# KiCad board gmsl-serializer.kicad_pcb (continued)
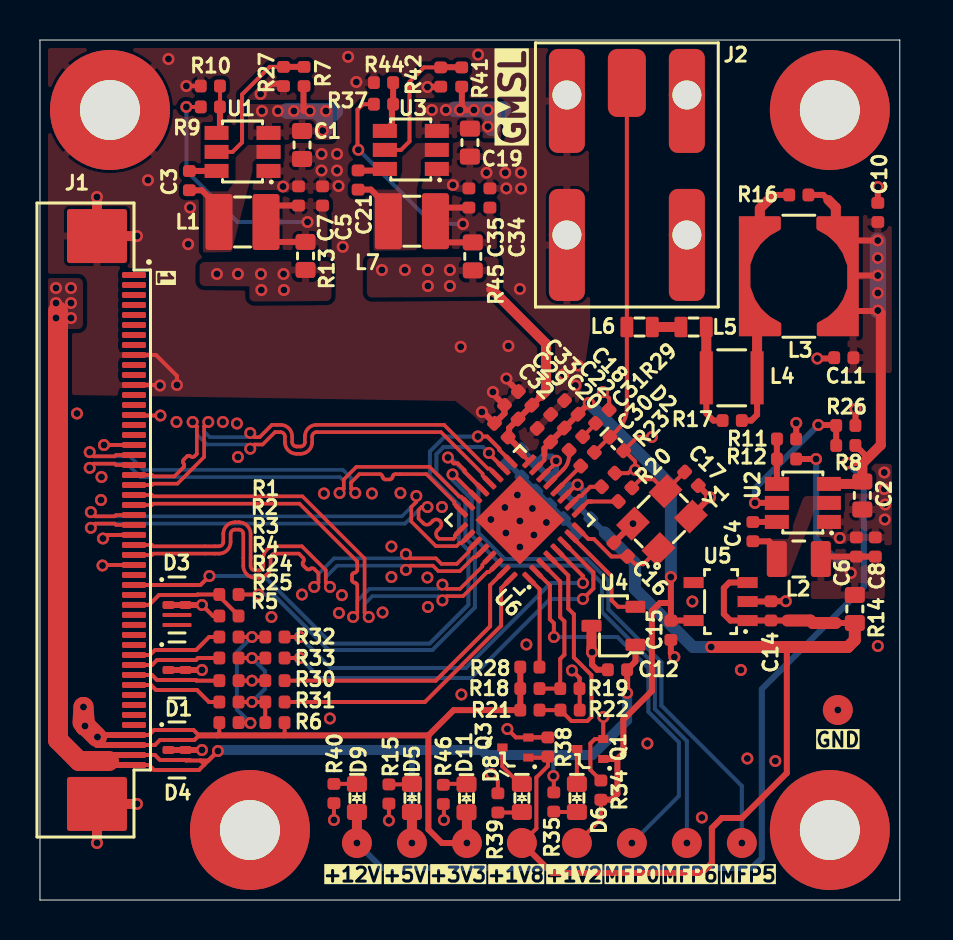
[diagram p0: board, top side]
## Routing (per net, layer and track width the routed paths; a pad name or vN(x,y) marks a point on that pad's centre or on a via; arc(x,y) is an arc through that point) (continued)
/Supply/OUT_3V3: length 15
  Top w0.2: R37.2 16.15,39.79 15.88,39.52 15.88,37.69
  Top w0.3: C35.2 19.78,34.62 L7.2 19.78,32.88 R45.1
  Bottom w0.2: 15.88,37.69 15.88,37.57 19.65,33.8 v1(21.15,33.8)
  vias: v1(15.92,37.51)
/Supply/OUT_5V: length 16.4
  Top w0.2: 8.03,39.65 v1(7.32,39.65)
  Top w0.3: C7.2 11.3,34.72 L1.2 11.3,33.05 11.45,32.9 R13.1
  Bottom w0.2: v1(7.32,39.65) 7.32,36.46 9.88,33.9 v1(13.38,33.9)
/Supply/SW_1V8: length 1.4
  Top w0.3: 35.65,17.93 36.47,17.93 36.85,17.55
/Supply/SW_3V3: length 2.6
  Top w0.3: L7.1 17.42,34.64 16.55,35.52 C21.2
/Supply/SW_5V: length 1.8
  Top w0.3: 7.47,35.48 8.09,35.48 8.95,34.63
Net-(C31-Pad2): length 1
  Top w0.2: 27.14,23.17 27.86,23.88
Net-(D5-C): length 1.2
  Top w0.2: R15.2 18.58,5.78 D5.1
Net-(D6-A): length 1.2
  Top w0.2: R35.1 25.72,4.4 D6.2
Net-(D6-C): length 1.8
  Top w0.2: Q1.3 26.85,7.53 D6.1
Net-(D8-A): length 1.2
  Top w0.2: D8.2 24.07,4.38 R39.1
Net-(D8-C): length 2.3
  Top w0.2: D8.1 24,5.8 23.12,6.68 23.12,7.62
Net-(D9-C): length 1.2
  Top w0.2: R40.2 15.84,5.8 D9.1
Net-(D11-C): length 1.2
  Top w0.2: 21.35,5.8 21.34,5.8 20.2,5.8
Net-(L3-Pad2): length 13.5
  Top w0.3: R16.2 36.67,35.25 36.41,34.99 ; R17.1 35.57,23.97 35.86,24.26 L4.1
  Top w0.5: 36.41,34.99 36,34.58 36,33.62 35.24,32.86 L3.2 35.24,28.98 35.86,28.36 L4.1
Net-(L4-Pad2): length 5.3
  Top w0.3: L4.2 33.32,24.33 33.68,23.97 R17.2
  Top w0.5: L4.2 L5.1
Net-(L5-Pad2): length 1.4
  Top w0.5: L5.2 L6.1
Net-(U1-BST): length 1.4
  Top w0.3: U1.6 7.47,36.45
Net-(U2-BST): length 1.2
  Top w0.3: 35.65,18.9 U2.6
Net-(U3-BST): length 1.4
  Top w0.3: 17.23,36.47 15.87,36.47
Net-(U6-CAP_VDD): length 5.3
  Top w0.2: U6.14 25.81,21.87 v1(25.81,21.96) 25.81,21.84
  Bottom w0.3: C24.2 C23.2 25.81,21.46 v1(25.81,21.96) 25.59,22.17 25.13,22.17 C24.2 ; C24.2 C26.2
Net-(U6-MFP0): length 19.4
  Top w0.2: v1(25.7,13.15) 25.7,13.84 25.5,14.04 25.5,15.73 U6.2
  Bottom w0.2: v1(25.7,13.15) 28.88,13.15 30.42,11.6 30.42,9.42 31.95,7.89 31.95,5.2 v1(29.6,2.85)
Net-(U6-MFP5): length 30.3
  Top w0.2: v1(20.4,22.12) 20.69,21.83 20.88,21.83 21.23,21.48 21.23,21.41 U6.21
  Bottom w0.2: v1(35.1,2.85) 35.1,5.7 31.07,9.72 31.07,11.88 28.42,14.53 28.42,15.97 27.35,17.05 23.23,17.05 21.92,18.36 21.92,20.72 20.52,22.12 v1(20.4,22.12)
Net-(U6-MFP6): length 27.3
  Top w0.2: v1(20.63,21.28) 20.66,21.28 U6.22
  Bottom w0.2: v1(32.35,2.85) 32.35,7.95 30.75,9.55 30.75,11.75 28.1,14.4 28.1,15.84 27.22,16.72 23.1,16.72 21.6,18.22 21.6,20.02 20.63,21 v1(20.63,21.28)
Net-(U6-MFP7): length 14.4
  Top w0.2: 12.23,10.97 19.79,10.97 22.51,13.68 22.51,15.74 U6.31
Net-(U6-MFP8): length 15
  Top w0.2: U6.32 23.06,15.59 23.06,13.71 19.25,9.9 12.23,9.9
Net-(U6-MFP9): length 19.5
  Top w0.2: U6.5 27.15,16.2 v1(27.15,15.85) ; 12.23,13.15 v1(13,13.15)
  Bottom w0.2: v1(13,13.15) 14.55,11.6 21.3,11.6 25.55,15.85 v1(27.15,15.85)
Net-(U6-MFP10): length 20.6
  Top w0.2: v1(27.15,15.05) 27.67,15.57 27.67,16.39 U6.6 ; 12.23,12.1 v1(13,12.1)
  Bottom w0.2: v1(27.15,15.05) 25.51,15.05 21.56,11.1 14,11.1 v1(13,12.1)
Net-(U6-PWDNB): length 4.6
  Top w0.2: U6.1 24.98,15.54 24.98,11.64
Net-(U6-SION): length 2
  Top w0.2: 26.46,22.48 26.46,22.23 arc(26.38,21.84) 26.16,21.52 U6.13
Net-(U6-SIOP): length 1.7
  Top w0.2: C30.1 27.04,21.69 U6.12
Net-(U6-XRES): length 1.8
  Top w0.2: U6.10 26.97,20.21 27.07,20.21 27.52,20.66 28.08,20.66
unconnected-(D3-Pad4): length 0.9
  Top w0.2: D3.4 D3.7
unconnected-(D3-Pad5): length 0.9
  Top w0.2: D3.6 D3.5

## Copper pours and planes (outline as drawn; the poured copper is in the pictures)
+3V3 on Top: 22.95,30.17 16.35,30.12 16.35,32.12 22.95,32.17
+3V3 on Bottom: 22.9,30.1 18.6,30.1 16.37,27.86 8.87,27.85 7.56,26.54 2.64,26.55 1.12,25.04 1.17,11.04 2.57,10.24 3.4,8.57 3.4,7.74 1.7,8.07 -0.05,9.44 -0.1,30.02 11.15,30.07 15.2,30.07 17.3,32.17 22.9,32.17
+5V on Top: 2.15,28.55 0.25,28.55 0.25,31.1 2.15,31.1
+5V on Top: 14.58,29.95 10.47,29.92 10.47,30.68 7.98,30.7 7.98,31.9 14.58,31.95
+5V on Bottom: 14.47,30.05 7.05,30.05 5.55,28.54 0.26,28.55 0.26,32.05 14.45,32.05
+12V on Top: 42.61,26.35 40.37,26.35 40.45,34.25 42.6,34.25
+12V on Top: 14.66,38 10.33,38 10.33,39.8 14.66,39.8
+12V on Top: 23.06,38.08 18.74,38.08 18.74,39.88 23.06,39.88
+12V on Bottom: 42.45,28.91 42.45,33.95 40.36,36.04 36.97,36.04 35.11,37.9 26.18,37.9 23.91,40.17 11.75,40.17 11.22,39.63 10.9,39.64 10.9,38.63 11.85,37.84 23.37,37.84 25.44,35.77 34.02,35.77 35.97,33.82 39.33,33.82 40.77,32.38 40.77,29.19 41.05,28.91
GND on Top: 27.4,43.22 27.52,28.53 26.97,24.82 24.62,22.35 22.82,23.07 21.65,24.25 20.78,24.95 -0.15,25.27 -0.08,43.12
GND on Top: 38.8,17.67 38.82,19.32 40.05,19.32 40.05,20.35 41.4,20.35 41.4,21.82 42.92,21.8 43.03,17.75
GND on Bottom, In1.Cu, In2.Cu: 43.1,-0.05 -0.08,-0.05 -0.08,43.13 43.1,43.13
/Supply/OUT_1V8 on Top: 38.55,17.95 39.6,17.95 39.9,17.65 42.25,17.65 42.25,15.05 38.55,15.05
/Supply/OUT_3V3 on Top: 22.85,32.55 19.1,32.55 19.05,35.35 20.45,35.35 20.95,35.15 22.85,35.15
/Supply/OUT_5V on Top: 14.38,32.5 10.63,32.5 10.58,35.3 11.98,35.3 12.48,35.1 14.38,35.1
/Supply/SW_1V8 on Top: 36.35,18.05 37.4,18.05 38.2,20.2 40.05,20.2 40.05,19.51 38.75,19.5 37.45,16.15 36.35,16.15
/Supply/SW_3V3 on Top: 20.11,37.15 19.25,37.14 18.85,35.59 18.85,32.49 16.68,32.46 16.68,35.52 17.8,35.52 18.11,36.39 18.11,37.16 18.71,37.84 20.11,37.84
/Supply/SW_5V on Top: 12.03,37.06 10.78,37.05 10.38,35.5 9.58,32.4 8.15,32.37 8.15,35.43 9.38,35.43 9.78,36 9.78,37.3 10.18,37.75 12.03,37.75

## Text on the board
B.Silkscreen: PCB SHA ########
F.Mask: GMSL Serializer / Rev. 1.1.1  11/2024
F.Silkscreen: +12V | +5V | +3V3 | +1V8 | +1V2 | MFP0 | MFP6 | MFP5 | GND | 1 | GMSL
